# Altium PCB Iris.PcbDoc (part 5 of 13) (continued)
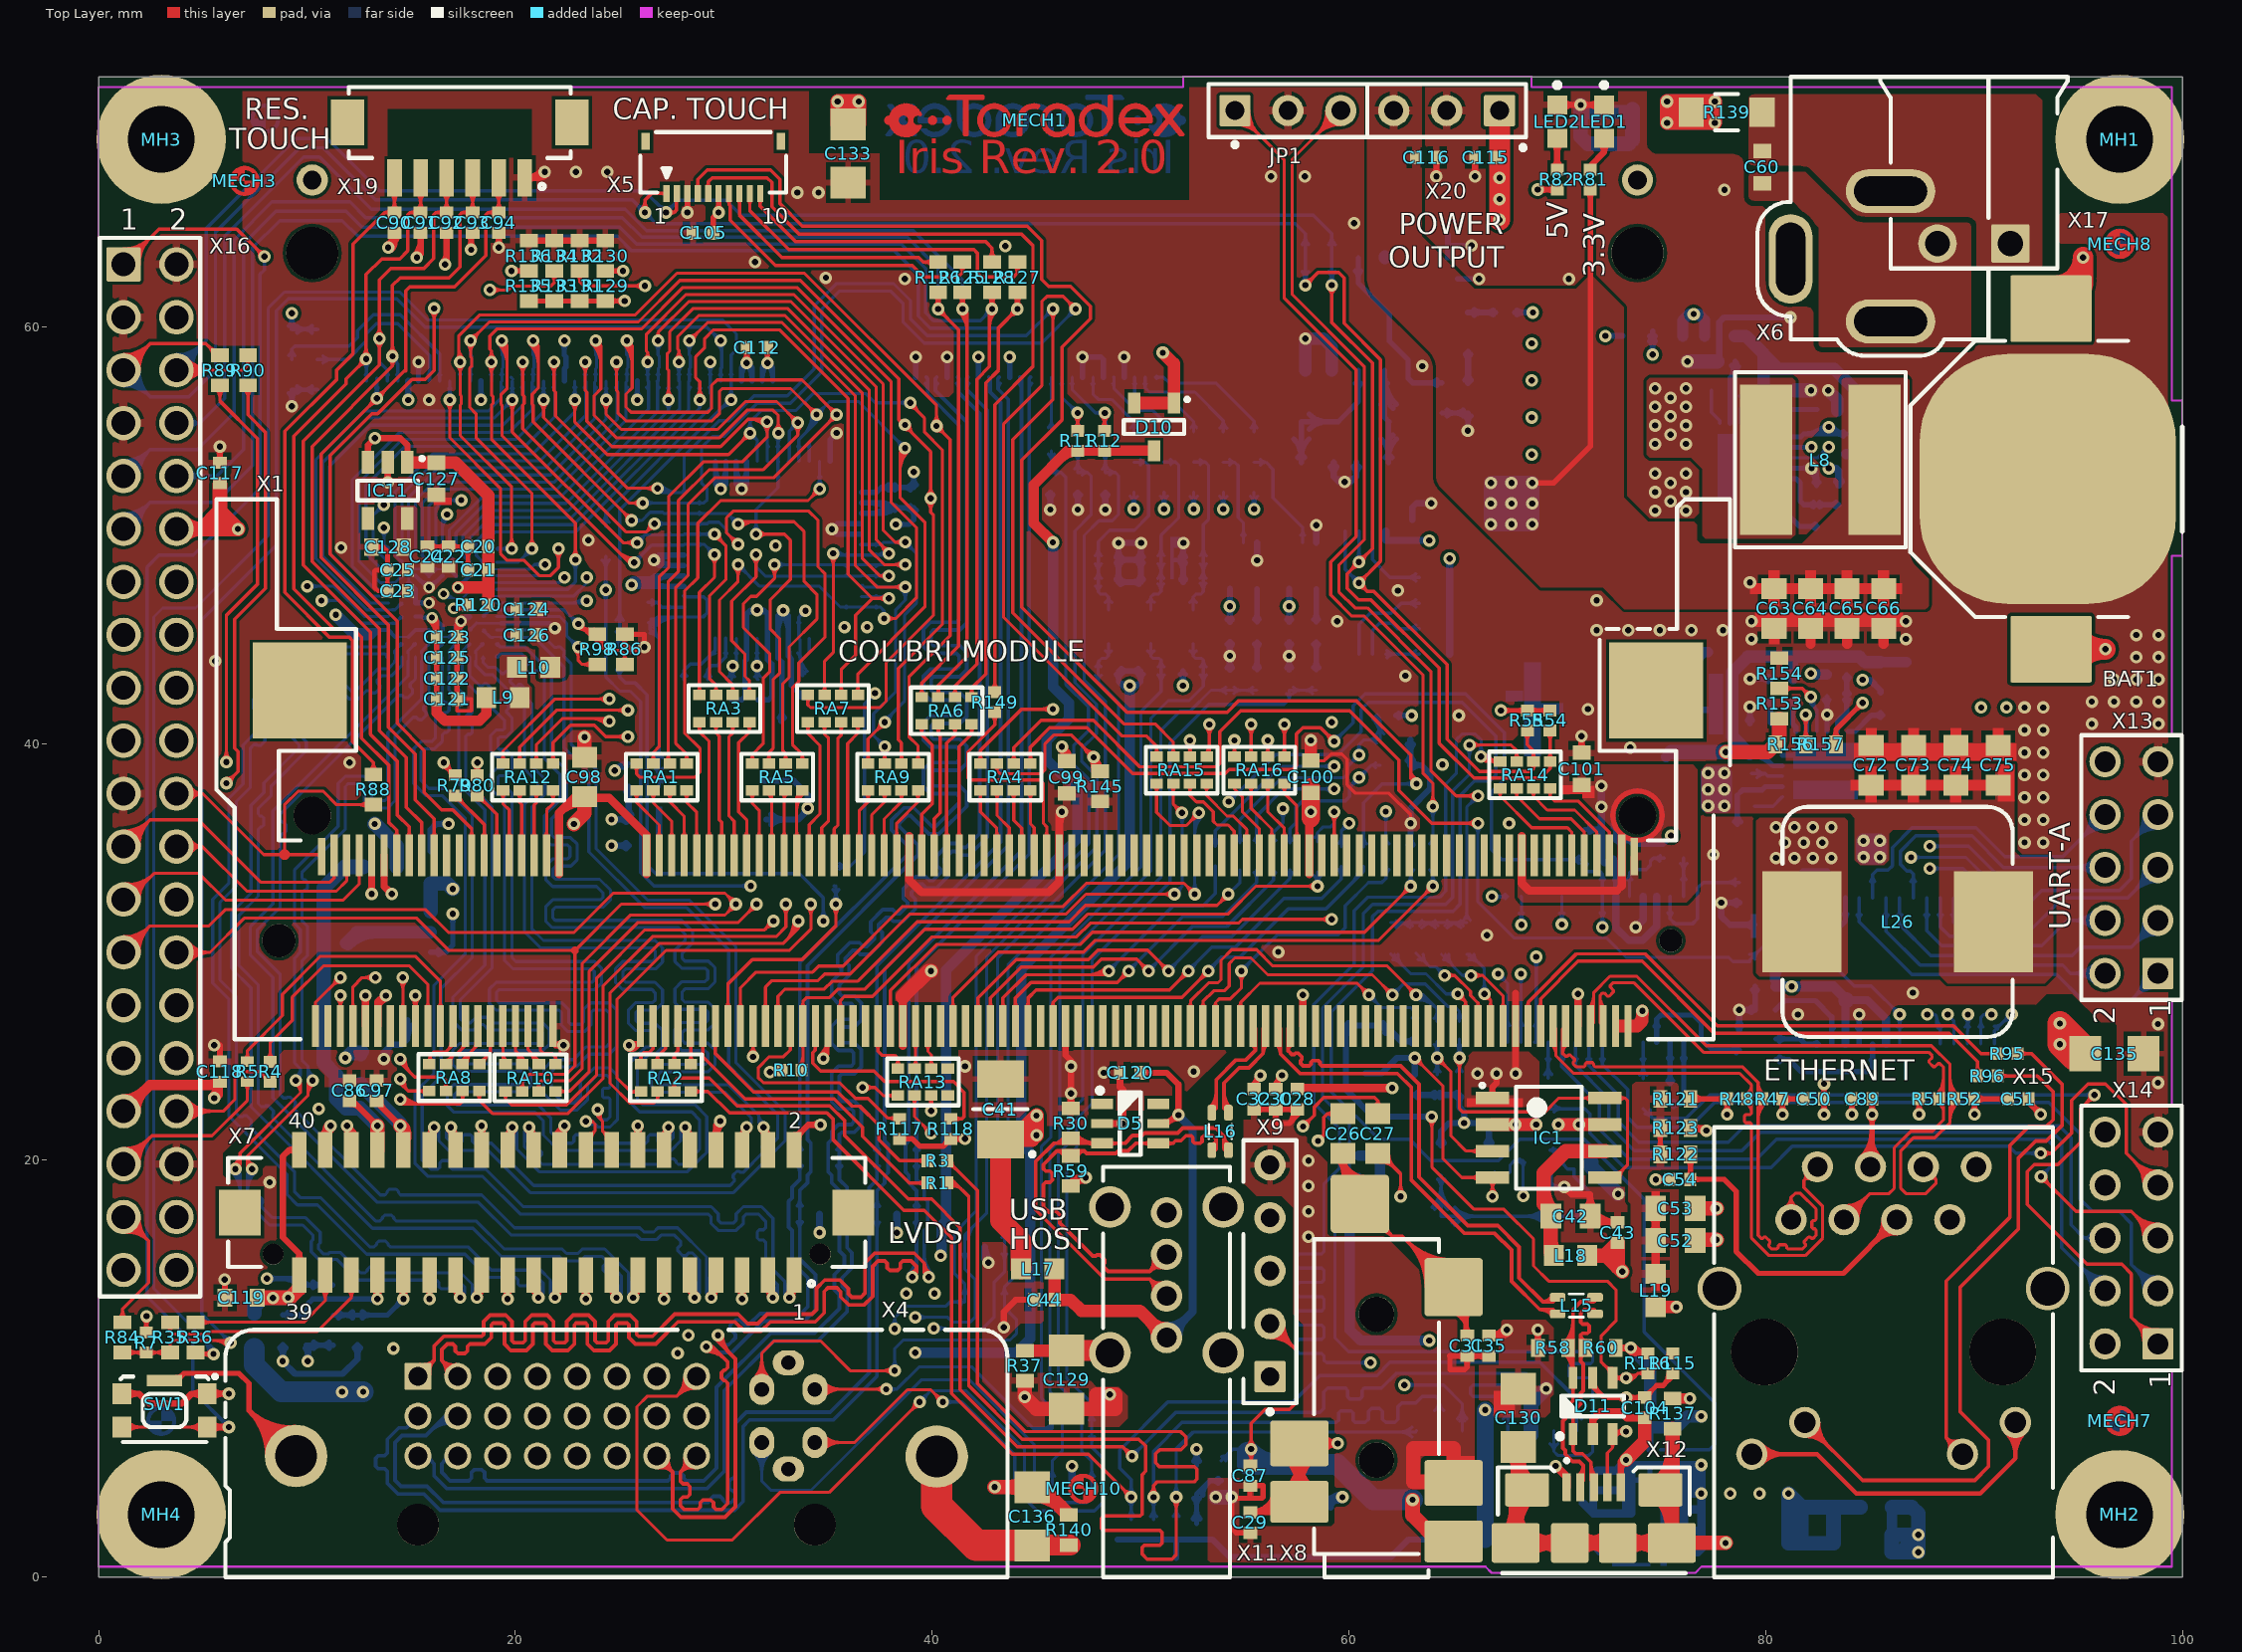
[diagram p0: Top Layer view]
## Nets (pads, with @x,y where several pads share a name; then routed paths per layer and width w, separated by ;. In a path a pad name is that pad's centre, name@x,y a point inside that pad or via, vN(x,y) a via of type N, cw(c..) or ccw(c..) an arc to the next point about the centre after c; other vN are vias at no path point) (continued)
  Bottom Layer w0.15: IC9.J8@18.45,49.35 18.45,49.578 19.037,50.165 22.911,50.165 28.85,56.104 ; v1@28.691,56.649 ccw(c28.307,57.033) 28.85,57.033 ccw(c29.393,57.033) v1@29.009,56.649 ; v1@28.739,56.294 cw(c28.632,56.104) 28.85,56.104 ; X3.8@28.797,57.046 cw(c28.669,56.918) 28.85,56.918 cw(c29.031,56.918) X3.8@28.903,57.046 ; X3.8@28.85,57.4 v1(28.85,56.49) 28.85,56.104 ; v1@28.961,56.294 ccw(c29.068,56.104) 28.85,56.104 ; IC2.23@36.6,47.05 v1@37.846,47.05 ; IC2.23@37.195,47.05 cw(c37.195,46.247) v1@37.763,46.815 ; IC2.23@37.303,46.997 cw(c37.431,46.869) 37.431,47.05 cw(c37.431,47.231) IC2.23@37.303,47.103 ; 37.557,47.05 cw(c37.557,46.609) v1@37.869,46.921 ; 37.563,47.05 ccw(c37.563,47.333) v1@37.763,47.133
LCD_D_5_S: RA7.3 X1.72 | length 7.6
  Top Layer w0.15: X1.72@35.229,35.593 ccw(c35.059,35.763) 35.3,35.763 ccw(c35.541,35.763) X1.72@35.371,35.593 ; X1.72@35.3,34.646 35.3,35.91 35.484,36.093 35.484,40.259 35.632,40.407 RA7.3@35.632,41.032 ; RA7.3@35.512,40.908 cw(c35.223,40.619) 35.632,40.619 ; 35.632,40.599 cw(c36.068,40.599) RA7.3@35.76,40.908
LCD_D_6: IC2.5 IC9.H2 RA9.7 X3.20 | length 63.2
  Top Layer w0.15: v1@22.691,56.331 cw(c22.307,55.946) 22.85,55.946 cw(c23.393,55.946) v1@23.009,56.331 ; v1(22.85,56.49) 22.85,55.433 24.409,53.873 30.228,53.873 v1(31.261,54.906) ; v1@31.036,54.906 cw(c30.493,54.906) 30.877,54.522 cw(c31.261,54.138) v1@31.261,54.681 ; RA9.7@38.4,39.17 ccw(c38.102,39.469) 38.524,39.469 ccw(c38.947,39.469) RA9.7@38.648,39.17 ; RA9.7@38.524,39.046 38.524,40.038 38.377,40.185 38.377,43.61 40.488,45.72 40.488,54.102 39.624,54.966 39.624,55.633 v1@38.949,56.308 ; v1@38.949,56.134 cw(c38.949,55.713) 39.247,56.01 ; v1@39.174,56.359 ccw(c39.84,56.359) 39.369,55.888
  Bottom Layer w0.105: 14.225,49.174 14.225,49.526
  Bottom Layer w0.15: 14.225,49.174 14.225,49.025 IC9.H2@14.55,48.7 ; 14.225,49.526 14.225,52.083 16.058,53.916 20.846,53.916 22.85,55.921 v1(22.85,56.49) X3.20@22.85,57.4 ; IC9.H2@14.48,48.7 ccw(c14.311,48.7) 14.431,48.819 ccw(c14.55,48.939) IC9.H2@14.55,48.77 ; v1@22.691,56.331 cw(c22.307,55.946) 22.85,55.946 cw(c23.393,55.946) v1@23.009,56.331 ; v1@22.691,56.649 ccw(c22.307,57.033) 22.85,57.033 ccw(c23.393,57.033) v1@23.009,56.649 ; X3.20@22.797,57.097 cw(c22.669,56.969) 22.85,56.969 cw(c23.031,56.969) X3.20@22.903,57.097 ; v1@31.103,55.067 ccw(c30.736,55.442) 31.261,55.442 ; v1@31.282,54.682 cw(c31.318,54.285) 31.6,54.567 ; v1@31.419,55.067 cw(c31.786,55.442) 31.261,55.442 ; v1@31.485,54.885 ccw(c31.882,54.849) 31.6,54.567 ; IC2.5@31.547,54.253 ccw(c31.419,54.381) 31.6,54.381 ccw(c31.781,54.381) IC2.5@31.653,54.253 ; IC2.5@31.6,53.55 31.6,54.567 ; v1@38.79,56.2 ccw(c38.406,55.815) 38.406,56.359 ccw(c38.406,56.902) v1@38.79,56.518 ; v1(38.949,56.359) 37.266,56.359 36.83,56.794 34.265,56.794 33.45,55.98 31.799,55.98 31.261,55.442 ; 31.261,55.442 v1(31.261,54.906) 31.6,54.567
LCD_D_6_S: RA9.3 X1.80 | length 4.5
  Top Layer w0.15: X1.80@37.629,35.593 ccw(c37.459,35.763) 37.7,35.763 ccw(c37.941,35.763) X1.80@37.771,35.593 ; X1.80@37.7,34.646 37.7,36.379 38.524,37.203 RA9.3@38.524,37.746 ; RA9.3@38.4,37.622 cw(c38.102,37.324) 38.524,37.324 cw(c38.947,37.324) RA9.3@38.648,37.622
LCD_D_7: IC2.6 IC9.J2 RA1.6 X3.19 | length 55.9
  Top Layer w0.15: v1@23.191,58.151 cw(c22.807,57.767) 23.35,57.767 cw(c23.893,57.767) v1@23.509,58.151 ; v1(23.35,58.31) 23.35,56.945 23.426,56.869 23.426,55.466 24.638,54.254 29.845,54.254 31.16,55.569 31.979,55.569 32.071,55.477 32.079,55.47 32.079,54.71 30.886,53.518 29.012,53.518 27.358,51.863 27.358,48.457 26.899,47.998 26.899,39.853 26.617,39.571 RA1.6@26.617,39.046 ; RA1.6@26.493,39.17 ccw(c26.194,39.469) 26.617,39.469 ccw(c27.039,39.469) RA1.6@26.74,39.17 ; 31.245,55.569 cw(c31.245,54.626) 31.912,55.293 cw(c31.51,54.89) 32.079,54.89 ; 31.607,55.569 cw(c31.607,54.988) v1@32.018,55.399 ; v1@32.071,55.478 v1@32.071,55.51 ; 32.079,54.927 cw(c32.596,54.927) v1@32.23,55.293
  Bottom Layer w0.15: IC9.J2@14.55,49.35 14.55,51.948 16.178,53.576 21.191,53.576 23.383,55.768 X3.19@23.383,57.367 ; v1@23.191,58.151 cw(c22.807,57.767) 23.35,57.767 cw(c23.893,57.767) v1@23.509,58.151 ; X3.19@23.297,57.097 cw(c23.09,56.89) 23.383,56.89 ; X3.19@23.297,57.703 ccw(c23.169,57.831) 23.35,57.831 ccw(c23.531,57.831) X3.19@23.403,57.703 ; X3.19@23.35,57.4 v1(23.35,58.31) ; v1@31.912,55.293 cw(c31.515,54.895) 32.077,54.895 ; 32.077,54.437 ccw(c32.337,54.437) IC2.6@32.153,54.253 ; 32.077,54.922 cw(c32.601,54.922) v1@32.23,55.293 ; v1@32.077,55.502 32.077,53.573 IC2.6@32.1,53.55 IC2.6@32.097,53.553
  other v1: 32.071,55.452
LCD_D_7_S: RA1.2 X1.46 | length 4.5
  Top Layer w0.15: RA1.2@26.493,37.622 cw(c26.194,37.324) 26.617,37.324 cw(c27.039,37.324) RA1.2@26.74,37.622 ; RA1.2@26.617,37.746 26.617,37.163 27.5,36.279 X1.46@27.5,34.646 ; X1.46@27.429,35.593 ccw(c27.259,35.763) 27.5,35.763 ccw(c27.741,35.763) X1.46@27.571,35.593
LCD_D_8: IC2.7 IC9.H3 RA5.6 X3.18 | length 59.8
  Top Layer w0.15: v1@23.691,59.177 cw(c22.703,58.189) 24.1,58.189 ; v1@23.797,59.283 cw(c23.065,58.551) 24.1,58.551 ; v1(23.85,59.336) 24.1,59.086 ; v1@23.903,59.389 cw(c23.428,58.913) 24.1,58.913 ; v1@23.927,59.124 cw(c23.983,58.969) 24.1,59.086 ; v1@24.062,59.259 ccw(c24.217,59.203) 24.1,59.086 ; v1(31.547,50.05) 32.906,50.05 33.198,49.759 33.198,47.879 32.233,46.914 32.233,45.491 32.674,45.05 32.674,43.373 32.367,43.066 32.367,39.767 32.169,39.569 RA5.6@32.169,39.046 ; v1@31.706,49.891 cw(c32.09,49.507) 32.09,50.05 cw(c32.09,50.593) v1@31.706,50.209 ; RA5.6@32.045,39.17 ccw(c31.747,39.469) 32.169,39.469 ccw(c32.591,39.469) RA5.6@32.293,39.17 ; v1@32.464,55.065 ccw(c32.109,55.42) 32.611,55.42 ; v1@32.611,54.906 32.611,55.756 32.363,56.004 31.112,56.004 29.775,54.667 24.86,54.667 23.774,55.754 23.774,56.692 24.1,57.018 24.1,59.086 ; 32.611,55.478 ccw(c33.195,55.478) v1@32.782,55.065
  Bottom Layer w0.105: 14.875,49.174 14.875,49.526
  Bottom Layer w0.15: 14.875,49.174 14.875,49.025 IC9.H3@15.2,48.7 ; 14.875,49.526 14.875,51.814 16.295,53.234 21.433,53.234 23.803,55.603 X3.18@23.803,57.353 ; IC9.H3@15.13,48.7 ccw(c14.961,48.7) 15.081,48.819 ccw(c15.2,48.939) IC9.H3@15.2,48.77 ; v1@23.691,59.177 cw(c23.325,58.811) 23.842,58.811 ; X3.18@23.797,57.703 ccw(c23.669,57.831) 23.85,57.831 ccw(c24.031,57.831) X3.18@23.903,57.703 ; 23.803,56.854 cw(c24.146,56.854) X3.18@23.903,57.097 ; 23.842,58.774 cw(c24.412,58.774) v1@24.009,59.177 ; v1@23.842,59.336 23.842,58.653 23.898,58.598 23.898,58.039 23.85,57.991 X3.18@23.85,57.4 ; v1@31.388,50.209 ccw(c31.004,50.593) 31.547,50.593 ccw(c32.09,50.593) v1@31.706,50.209 ; v1(31.547,50.05) 31.547,51.232 32.6,52.285 IC2.7@32.6,53.55 ; v1@32.464,54.747 cw(c32.135,54.418) 32.6,54.418 ; IC2.7@32.547,52.796 cw(c32.419,52.668) 32.6,52.668 cw(c32.781,52.668) IC2.7@32.653,52.796 ; IC2.7@32.547,54.253 ccw(c32.419,54.381) 32.6,54.381 ccw(c32.781,54.381) IC2.7@32.653,54.253 ; IC2.7@32.6,54.307 cw(c33.222,54.307) v1@32.782,54.747 ; v1@32.6,54.883 IC2.7@32.6,53.55 ; IC2.7@32.639,53.511 IC2.7@32.6,53.55
  other v1: 32.623,54.906
LCD_D_8_S: RA5.2 X1.62 | length 4.3
  Top Layer w0.15: RA5.2@32.095,37.622 cw(c31.601,37.128) 32.3,37.128 ; RA5.2@32.169,37.746 32.3,37.615 X1.62@32.3,34.646 ; RA5.2@32.201,37.728 cw(c31.963,37.49) 32.3,37.49 ; X1.62@32.229,35.593 ccw(c32.059,35.763) 32.3,35.763 ccw(c32.541,35.763) X1.62@32.371,35.593
LCD_D_9: IC2.8 IC9.J3 RA1.7 X3.17 | length 54.9
  Top Layer w0.15: v1@24.191,56.331 cw(c23.807,55.946) 24.35,55.946 cw(c24.893,55.946) v1@24.509,56.331 ; v1(24.35,56.49) 24.35,55.812 25.083,55.08 29.705,55.08 31.039,56.413 32.54,56.413 v1(33.552,55.401) 33.552,54.812 31.877,53.137 29.289,53.137 27.823,51.671 27.823,48.264 27.34,47.782 RA1.7@27.34,39.046 ; RA1.7@27.217,39.17 ccw(c26.918,39.469) 27.34,39.469 ccw(c27.763,39.469) RA1.7@27.464,39.17 ; v1@33.327,55.401 ccw(c32.784,55.401) 33.168,55.785 ccw(c33.552,56.169) v1@33.552,55.626 ; v1@33.393,55.242 cw(c33.009,54.858) 33.552,54.858 cw(c34.096,54.858) v1@33.711,55.242
  Bottom Layer w0.15: IC9.J3@15.2,49.35 15.2,51.679 16.415,52.894 21.678,52.894 24.35,55.567 v1(24.35,56.49) X3.17@24.35,57.4 ; v1@24.191,56.331 cw(c23.807,55.946) 24.35,55.946 cw(c24.893,55.946) v1@24.509,56.331 ; v1@24.191,56.649 ccw(c23.807,57.033) 24.35,57.033 ccw(c24.893,57.033) v1@24.509,56.649 ; X3.17@24.297,57.046 cw(c24.169,56.918) 24.35,56.918 cw(c24.531,56.918) X3.17@24.403,57.046 ; IC2.8@33.047,54.253 ccw(c32.8,54.5) 33.149,54.5 ; IC2.8@33.1,53.55 33.097,53.553 33.149,53.605 33.149,54.998 v1(33.552,55.401) ; v1@33.327,55.401 cw(c32.784,55.401) 33.168,55.017 cw(c33.552,54.633) v1@33.552,55.176
LCD_D_9_S: RA1.3 X1.48 | length 4.4
  Top Layer w0.15: RA1.3@27.293,37.622 cw(c26.994,37.324) 27.417,37.324 cw(c27.839,37.324) RA1.3@27.54,37.622 ; RA1.3@27.417,37.746 27.417,37.201 28.1,36.518 X1.48@28.1,34.646 ; X1.48@28.029,35.593 ccw(c27.859,35.763) 28.1,35.763 ccw(c28.341,35.763) X1.48@28.171,35.593
LCD_D_10: IC2.9 IC9.H4 RA7.8 X3.16 | length 64
  Top Layer w0.15: v1@24.691,58.151 cw(c24.307,57.767) 24.85,57.767 cw(c25.393,57.767) v1@25.009,58.151 ; v1(24.85,58.31) 24.85,56.945 24.917,56.878 24.917,55.88 25.305,55.493 29.432,55.493 29.797,55.857 29.797,56.918 29.916,57.037 33.207,57.037 v1(34.454,55.79) ; v1@34.229,55.79 ccw(c33.686,55.79) 34.07,56.174 ccw(c34.454,56.558) v1@34.454,56.015 ; RA7.8@36.312,42.456 ccw(c36.014,42.754) 36.436,42.754 ccw(c36.858,42.754) RA7.8@36.56,42.456 ; RA7.8@36.436,42.332 36.436,43.345 39.648,46.557 39.648,50.624 38.456,51.816 38.456,53.942 ; 38.456,53.06 cw(c39.818,53.06) v1@38.854,54.023 ; 38.456,53.422 cw(c39.455,53.422) v1@38.748,54.129 ; 38.456,53.784 cw(c39.093,53.784) v1@38.642,54.235 ; v1@38.487,54.097 cw(c38.354,54.044) 38.456,53.942 ; v1@38.611,53.974 ccw(c38.557,53.841) 38.456,53.942 ; v1(38.695,54.182) 38.456,53.942
  Bottom Layer w0.105: 15.525,49.174 15.525,49.526
  Bottom Layer w0.15: 15.525,49.174 15.525,49.025 IC9.H4@15.85,48.7 ; 15.525,49.526 15.525,51.545 16.532,52.552 21.881,52.552 24.883,55.554 X3.16@24.883,57.367 ; IC9.H4@15.78,48.7 ccw(c15.611,48.7) 15.731,48.819 ccw(c15.85,48.939) IC9.H4@15.85,48.77 ; v1@24.691,58.151 cw(c24.307,57.767) 24.85,57.767 cw(c25.393,57.767) v1@25.009,58.151 ; X3.16@24.797,57.097 cw(c24.59,56.89) 24.883,56.89 ; X3.16@24.797,57.703 ccw(c24.669,57.831) 24.85,57.831 ccw(c25.031,57.831) X3.16@24.903,57.703 ; X3.16@24.85,57.4 v1(24.85,58.31) ; IC2.9@33.547,54.253 ccw(c33.419,54.381) 33.6,54.381 ccw(c33.781,54.381) IC2.9@33.653,54.253 ; IC2.9@33.6,53.55 33.6,54.58 34.454,55.434 ; 33.819,54.799 ccw(c32.828,55.79) v1@34.229,55.79 ; 34.075,55.055 ccw(c33.34,55.79) v1@34.379,55.79 ; 34.331,55.311 ccw(c33.852,55.79) v1@34.529,55.79 ; v1@34.358,55.586 cw(c34.286,55.434) 34.454,55.434 ; v1@34.454,56.015 ccw(c34.454,56.558) 34.838,56.174 ccw(c35.222,55.79) v1@34.679,55.79 ; v1@34.55,55.586 ccw(c34.622,55.434) 34.454,55.434 ; v1@38.47,54.182 ccw(c37.927,54.182) 38.311,54.566 ccw(c38.695,54.95) v1@38.695,54.407 ; v1(38.695,54.182) 36.464,56.413 35.078,56.413 v1(34.454,55.79) 34.454,55.434
LCD_D_10_S: RA7.4 X1.74 | length 7.6
  Top Layer w0.15: X1.74@35.829,35.542 ccw(c35.56,35.811) 35.941,35.811 ; X1.74@35.9,34.646 35.941,34.687 35.941,40.005 36.432,40.496 RA7.4@36.432,41.032 ; RA7.4@36.312,40.908 cw(c36.023,40.619) 36.432,40.619 ; 36.432,40.599 cw(c36.868,40.599) RA7.4@36.56,40.908
LCD_D_11: IC2.10 IC9.J4 RA1.8 X3.15 | length 65
  Top Layer w0.15: v1@25.191,59.177 cw(c24.203,58.189) 25.6,58.189 ; v1@25.297,59.283 cw(c24.565,58.551) 25.6,58.551 ; v1(25.35,59.336) 25.6,59.086 ; v1@25.403,59.389 cw(c24.928,58.913) 25.6,58.913 ; v1@25.427,59.124 cw(c25.483,58.969) 25.6,59.086 ; v1@25.562,59.259 ccw(c25.717,59.203) 25.6,59.086 ; RA1.8@28.093,39.17 ccw(c27.794,39.469) 28.217,39.469 ccw(c28.639,39.469) RA1.8@28.34,39.17 ; RA1.8@28.217,39.046 28.217,39.5 27.686,40.03 27.686,47.47 28.288,48.072 28.288,51.478 29.566,52.756 32.387,52.756 v1(35.421,55.79) 33.756,57.455 29.681,57.455 29.413,57.187 29.413,56.083 29.235,55.905 25.552,55.905 25.303,56.155 25.303,56.773 25.6,57.071 25.6,59.086 ; v1@35.421,55.565 ccw(c35.421,55.022) 35.037,55.406 ccw(c34.653,55.79) 35.196,55.79 ccw(c34.653,55.79) 35.037,56.174 ccw(c35.421,56.558) v1@35.421,56.015
  Bottom Layer w0.15: IC9.J4@15.85,49.35 15.85,51.41 16.652,52.212 22.001,52.212 25.303,55.514 X3.15@25.303,57.353 ; v1@25.191,59.177 cw(c24.825,58.811) 25.342,58.811 ; X3.15@25.297,57.703 ccw(c25.169,57.831) 25.35,57.831 ccw(c25.531,57.831) X3.15@25.403,57.703 ; 25.303,56.854 cw(c25.646,56.854) X3.15@25.403,57.097 ; 25.342,58.774 cw(c25.912,58.774) v1@25.509,59.177 ; v1@25.342,59.336 25.342,58.653 25.398,58.598 25.398,58.039 25.35,57.991 X3.15@25.35,57.4 ; IC2.10@34.047,54.253 ccw(c33.919,54.381) 34.1,54.381 ccw(c34.281,54.381) IC2.10@34.153,54.253 ; IC2.10@34.1,53.55 34.1,54.469 v1(35.421,55.79) ; v1@35.196,55.79 cw(c34.653,55.79) 35.037,55.406 cw(c35.421,55.022) v1@35.421,55.565
LCD_D_11_S: RA1.4 X1.50 | length 4.3
  Top Layer w0.15: RA1.4@28.093,37.622 cw(c27.794,37.324) 28.217,37.324 cw(c28.639,37.324) RA1.4@28.34,37.622 ; RA1.4@28.217,37.746 28.217,37.188 28.7,36.705 X1.50@28.7,34.646 ; X1.50@28.629,35.593 ccw(c28.459,35.763) 28.7,35.763 ccw(c28.941,35.763) X1.50@28.771,35.593
LCD_D_12: IC2.43 IC9.E2 RA3.5 X3.27 | length 57.8
  Top Layer w0.15: v1@19.191,59.177 cw(c18.203,58.189) 19.6,58.189 ; v1@19.297,59.283 cw(c18.565,58.551) 19.6,58.551 ; v1(19.35,59.336) 19.6,59.086 ; v1@19.403,59.389 cw(c18.928,58.913) 19.6,58.913 ; v1@19.427,59.124 cw(c19.483,58.969) 19.6,59.086 ; v1@19.562,59.259 ccw(c19.717,59.203) 19.6,59.086 ; 24.903,49.239 ccw(c25.698,50.034) v1@25.698,48.91 ; 25.159,48.983 ccw(c25.698,49.522) v1@25.698,48.76 ; v1(25.698,48.685) 25.458,48.685 19.35,54.793 19.35,56.245 19.303,56.293 19.303,56.742 19.6,57.04 19.6,59.086 ; RA3.5@28.705,42.456 ccw(c28.407,42.754) 28.829,42.754 ccw(c29.251,42.754) RA3.5@28.953,42.456 ; RA3.5@28.829,42.332 28.829,47.252 29.555,47.979 v1(29.555,49.073) ; v1@29.396,48.914 cw(c29.012,48.53) 29.555,48.53 cw(c30.099,48.53) v1@29.714,48.914
  Bottom Layer w0.105: 13.724,46.425 14.076,46.425
  Bottom Layer w0.15: 13.724,46.425 12.877,46.425 10.424,48.877 10.424,53.63 12.758,55.963 18.702,55.963 19.304,56.566 19.304,57.346 19.358,57.4 19.358,57.991 19.406,58.039 19.406,58.598 19.35,58.653 v1(19.35,59.336) ; 14.076,46.425 14.225,46.425 IC9.E2@14.55,46.75 ; IC9.E2@14.48,46.75 cw(c14.311,46.75) 14.431,46.631 cw(c14.55,46.511) IC9.E2@14.55,46.68 ; v1@19.191,59.177 cw(c18.807,58.793) 19.35,58.793 cw(c19.893,58.793) v1@19.509,59.177 ; X3.27@19.297,57.703 ccw(c19.151,57.849) 19.358,57.849 ; 19.304,56.858 cw(c19.642,56.858) X3.27@19.403,57.097 ; 19.358,57.813 ccw(c19.513,57.813) X3.27@19.403,57.703 ; v1(25.698,48.685) 26.537,49.524 28.074,49.524 IC2.43@28.1,49.55 28.11,49.56 29.069,49.56 v1(29.555,49.073) ; v1@25.698,48.91 ccw(c25.698,49.453) 26.082,49.069 ccw(c26.466,48.685) v1@25.923,48.685 ; 27.206,49.524 ccw(c27.206,49.794) IC2.43@27.397,49.603 ; IC2.43@28.828,49.497 cw(c28.981,49.345) 28.981,49.56 ; IC2.43@28.828,49.603 ccw(c28.932,49.707) 28.932,49.56 ; v1@29.33,49.073 ccw(c28.787,49.073) 29.171,49.458 ccw(c29.555,49.842) v1@29.555,49.298
LCD_D_12_S: RA3.1 X1.52 | length 7.6
  Top Layer w0.15: RA3.1@28.705,40.908 cw(c28.407,40.609) 28.829,40.609 cw(c29.251,40.609) RA3.1@28.953,40.908 ; RA3.1@28.829,41.032 28.829,40.578 29.3,40.107 X1.52@29.3,34.646 ; X1.52@29.229,35.593 ccw(c29.059,35.763) 29.3,35.763 ccw(c29.541,35.763) X1.52@29.371,35.593
LCD_D_13: IC2.44 IC9.E1 RA3.6 X3.26 | length 49.5
  Top Layer w0.15: v1@19.691,56.331 cw(c19.307,55.946) 19.85,55.946 cw(c20.393,55.946) v1@20.009,56.331 ; v1(19.85,56.49) 19.85,54.953 25.165,49.638 v1@25.936,49.638 ; v1@25.675,49.479 ccw(c25.291,49.095) 25.291,49.638 ccw(c25.291,50.181) v1@25.675,49.797 ; RA3.6@29.505,42.456 ccw(c29.207,42.754) 29.629,42.754 ccw(c30.051,42.754) RA3.6@29.753,42.456 ; v1@29.555,49.825 cw(c29.555,49.282) 29.94,49.666 cw(c30.324,50.05) v1@29.78,50.05 ; v1(29.555,50.05) 30.099,49.506 30.099,47.865 29.312,47.077 29.312,43.129 29.629,42.812 RA3.6@29.629,42.332
  Bottom Layer w0.15: IC9.E1@13.9,46.75 13.011,46.75 10.749,49.012 10.749,53.482 12.891,55.623 18.999,55.623 ; 18.999,55.638 v1(19.85,56.49) X3.26@19.85,57.4 ; v1@19.625,56.49 cw(c19.082,56.49) 19.466,56.106 cw(c19.85,55.721) v1@19.85,56.265 ; v1@19.691,56.649 ccw(c19.307,57.033) 19.85,57.033 ccw(c20.393,57.033) v1@20.009,56.649 ; X3.26@19.792,57.575 X3.26@19.88,57.487 ; X3.26@19.797,57.046 cw(c19.669,56.918) 19.85,56.918 cw(c20.031,56.918) X3.26@19.903,57.046 ; v1(25.835,49.638) 26.209,50.013 ; v1@25.839,49.863 ccw(c25.848,50.373) 26.209,50.013 ; v1@26.059,49.642 cw(c26.569,49.652) 26.209,50.013 ; 27.179,50.013 ccw(c27.179,50.321) IC2.44@27.397,50.103 ; IC2.44@28.828,49.997 cw(c28.956,49.869) 28.956,50.05 cw(c28.956,50.231) IC2.44@28.828,50.103 ; v1@29.396,49.891 ccw(c29.012,49.507) 29.012,50.05 ccw(c29.012,50.593) v1@29.396,50.209 ; v1(29.555,50.05) IC2.44@28.1,50.05 28.063,50.013 26.209,50.013
LCD_D_13_S: RA3.2 X1.54 | length 7.5
  Top Layer w0.15: RA3.2@29.505,40.908 cw(c29.207,40.609) 29.629,40.609 cw(c30.051,40.609) RA3.2@29.753,40.908 ; RA3.2@29.629,41.032 29.629,40.515 29.783,40.36 29.783,36.338 29.9,36.222 X1.54@29.9,34.646 ; X1.54@29.829,35.593 ccw(c29.659,35.763) 29.9,35.763 ccw(c30.141,35.763) X1.54@29.971,35.593
LCD_D_14: IC2.45 IC9.F2 RA5.8 X3.25 | length 63.6
  Top Layer w0.15: v1@20.191,58.151 cw(c19.807,57.767) 20.35,57.767 cw(c20.893,57.767) v1@20.509,58.151 ; v1(20.35,58.31) 20.35,56.734 20.422,56.662 20.422,56.317 20.35,56.245 20.35,55.113 25.298,50.165 26.285,50.165 v1(26.67,50.55) ; v1@26.445,50.55 cw(c25.902,50.55) 26.286,50.166 cw(c26.67,49.782) v1@26.67,50.325 ; v1@30.459,49.562 ccw(c29.915,49.562) 30.3,49.946 ccw(c30.684,50.33) v1@30.684,49.787 ; v1(30.684,49.562) 30.124,50.121 30.124,50.836 30.447,51.158 34.084,51.158 34.519,50.724 34.519,48.489 34.861,48.147 34.861,45.122 33.604,43.866 33.604,42.988 33.297,42.681 33.297,39.956 33.769,39.485 RA5.8@33.769,39.046 ; RA5.8@33.645,39.17 ccw(c33.347,39.469) 33.769,39.469 ccw(c34.191,39.469) RA5.8@33.893,39.17
  Bottom Layer w0.105: 13.724,47.075 14.076,47.075
  Bottom Layer w0.15: 13.724,47.075 13.146,47.075 11.074,49.147 11.074,53.315 13.04,55.281 19.391,55.281 20.383,56.273 20.383,57.367 X3.25@20.35,57.4 v1(20.35,58.31) ; 14.076,47.075 14.225,47.075 IC9.F2@14.55,47.4 ; IC9.F2@14.48,47.4 cw(c14.311,47.4) 14.431,47.281 cw(c14.55,47.161) IC9.F2@14.55,47.33 ; v1@20.191,58.151 cw(c19.807,57.767) 20.35,57.767 cw(c20.893,57.767) v1@20.509,58.151 ; X3.25@20.297,57.097 cw(c20.09,56.89) 20.383,56.89 ; X3.25@20.297,57.703 ccw(c20.169,57.831) 20.35,57.831 ccw(c20.531,57.831) X3.25@20.403,57.703 ; v1(26.67,50.55) IC2.45@28.1,50.55 29.214,50.55 29.286,50.622 29.769,50.622 30.15,50.241 30.15,50.096 v1(30.684,49.562) ; v1@26.829,50.391 cw(c27.213,50.007) 27.213,50.55 cw(c27.213,51.093) v1@26.829,50.709 ; IC2.45@27.397,50.497 ccw(c27.269,50.369) 27.269,50.55 ccw(c27.269,50.731) IC2.45@27.397,50.603 ; IC2.45@28.828,50.497 cw(c28.956,50.369) 28.956,50.55 cw(c28.956,50.731) IC2.45@28.828,50.603 ; v1@30.459,49.562 ccw(c29.915,49.562) 30.3,49.946 ccw(c30.684,50.33) v1@30.684,49.787
LCD_D_14_S: RA5.4 X1.66 | length 5.6
  Top Layer w0.15: X1.66@33.429,35.593 ccw(c33.259,35.763) 33.5,35.763 ccw(c33.741,35.763) X1.66@33.571,35.593 ; X1.66@33.5,34.646 33.5,37.437 ; 33.5,36.795 cw(c34.67,36.795) RA5.4@33.843,37.622 ; 33.5,37.157 cw(c34.308,37.157) RA5.4@33.737,37.728 ; RA5.4@33.555,37.686 cw(c33.333,37.604) 33.5,37.437 ; RA5.4@33.574,37.511 cw(c33.719,37.366) RA5.4@33.719,37.571 ; RA5.4@33.769,37.746 33.769,37.706 33.5,37.437
LCD_D_15: IC2.46 IC9.F1 RA5.7 X3.24 | length 61.5
  Top Layer w0.15: v1@20.691,59.177 cw(c19.703,58.189) 21.1,58.189 ; v1@20.797,59.283 cw(c20.065,58.551) 21.1,58.551 ; v1(20.85,59.336) 21.1,59.086 ; v1@20.903,59.389 cw(c20.428,58.913) 21.1,58.913 ; v1@20.927,59.124 cw(c20.983,58.969) 21.1,59.086 ; v1@21.062,59.259 ccw(c21.217,59.203) 21.1,59.086 ; v1@25.358,50.709 ccw(c24.815,50.709) 25.199,51.093 ccw(c25.583,51.477) v1@25.583,50.934 ; v1(25.583,50.709) 20.85,55.442 20.85,56.245 20.803,56.293 20.803,56.769 21.1,57.066 21.1,59.086 ; v1(30.684,50.538) 30.793,50.648 33.376,50.648 33.858,50.165 33.858,47.777 34.468,47.168 34.468,45.974 33.139,44.645 33.139,43.18 32.832,42.873 32.832,39.659 32.969,39.523 RA5.7@32.969,39.046 ; v1@30.737,50.485 cw(c31.129,50.093) 31.129,50.648 ; v1@30.843,50.379 cw(c31.491,49.731) 31.491,50.648 ; RA5.7@32.845,39.17 ccw(c32.547,39.469) 32.969,39.469 ccw(c33.391,39.469) RA5.7@33.093,39.17
  Bottom Layer w0.15: IC9.F1@13.9,47.4 13.281,47.4 12.177,48.504 12.177,52.665 14.453,54.941 19.711,54.941 20.803,56.032 20.803,57.353 X3.24@20.85,57.4 20.85,57.991 20.898,58.039 20.898,58.598 20.842,58.653 v1@20.842,59.336 ; v1@20.691,59.177 cw(c20.325,58.811) 20.842,58.811 ; X3.24@20.797,57.703 ccw(c20.669,57.831) 20.85,57.831 ccw(c21.031,57.831) X3.24@20.903,57.703 ; 20.803,56.854 cw(c21.146,56.854) X3.24@20.903,57.097 ; 20.842,58.774 cw(c21.412,58.774) v1@21.009,59.177 ; v1(25.583,50.709) 26.071,50.709 ; v1@25.754,50.563 cw(c26.071,50.293) 26.071,50.709 ; v1@25.754,50.855 ccw(c26.071,51.126) 26.071,50.709 ; IC2.46@27.397,50.997 ccw(c27.269,50.869) 27.269,51.05 ccw(c27.269,51.231) IC2.46@27.397,51.103 ; IC2.46@28.828,50.997 cw(c28.956,50.869) 28.956,51.05 cw(c28.956,51.231) IC2.46@28.828,51.103 ; v1(30.684,50.538) 30.172,51.05 IC2.46@28.1,51.05 27.127,51.05 27.072,51.105 26.467,51.105 26.071,50.709 ; 30.3,50.922 cw(c29.915,50.538) 30.459,50.538 ccw(c29.915,50.538) 30.3,50.922 ; 30.3,50.922 ccw(c30.684,51.307) 30.684,50.763 cw(c30.684,51.307) 30.3,50.922
LCD_D_15_S: RA5.3 X1.64 | length 4.2
  Top Layer w0.15: RA5.3@32.795,37.622 cw(c32.542,37.369) 32.9,37.369 ; X1.64@32.829,35.593 ccw(c32.659,35.763) 32.9,35.763 ccw(c33.141,35.763) X1.64@32.971,35.593 ; X1.64@32.9,34.646 32.9,37.677 RA5.3@32.969,37.746 ; 32.9,37.278 cw(c33.387,37.278) RA5.3@33.043,37.622
LCD_D_16: IC2.47 IC9.G2 RA15.5 X3.23 | length 92.4
  Top Layer w0.15: v1@21.191,56.331 cw(c20.807,55.946) 21.35,55.946 cw(c21.893,55.946) v1@21.509,56.331 ; v1(21.35,56.49) 21.35,55.651 25.456,51.545 v1(26.114,51.545) ; v1@25.955,51.386 ccw(c25.571,51.002) 25.571,51.545 ccw(c25.571,52.088) v1@25.955,51.704 ; v1@46.663,60.858 ccw(c46.12,60.858) 46.504,61.242 ccw(c46.888,61.627) v1@46.888,61.083 ; v1(46.888,60.858) 46.279,61.468 45.517,61.468 45.263,61.214 45.263,57.175 43.434,55.347 43.434,46.053 49.126,40.361 50.295,40.361 50.775,39.881 RA15.5@50.775,39.376 ; RA15.5@50.651,39.5 ccw(c50.352,39.799) 50.775,39.799 ccw(c51.197,39.799) RA15.5@50.898,39.5
  Bottom Layer w0.105: 13.724,47.725 14.076,47.725
  Bottom Layer w0.15: 13.724,47.725 13.512,47.725 12.502,48.735 12.502,52.53 14.571,54.599 20.029,54.599 21.35,55.919 v1(21.35,56.49) X3.23@21.35,57.4 ; 14.076,47.725 14.225,47.725 IC9.G2@14.55,48.05 ; IC9.G2@14.48,48.05 cw(c14.311,48.05) 14.431,47.931 cw(c14.55,47.811) IC9.G2@14.55,47.98 ; v1@21.191,56.331 cw(c20.807,55.946) 21.35,55.946 cw(c21.893,55.946) v1@21.509,56.331 ; v1@21.191,56.649 ccw(c20.807,57.033) 21.35,57.033 ccw(c21.893,57.033) v1@21.509,56.649 ; X3.23@21.297,57.046 cw(c21.169,56.918) 21.35,56.918 cw(c21.531,56.918) X3.23@21.403,57.046 ; v1@26.063,51.469 26.114,51.469 26.195,51.55 IC2.47@28.1,51.55 29.046,51.55 ; v1@26.273,51.386 cw(c26.67,50.989) 26.67,51.55 ; v1@26.273,51.704 ccw(c26.644,52.075) 26.644,51.55 ; IC2.47@27.397,51.497 ccw(c27.269,51.369) 27.269,51.55 ccw(c27.269,51.731) IC2.47@27.397,51.603 ; IC2.47@28.828,51.497 cw(c28.956,51.369) 28.956,51.55 cw(c28.956,51.731) IC2.47@28.828,51.603
  Bottom Layer w0.152: 29.046,51.55 29.2,51.704 29.2,52.233 28.931,52.502 28.931,54.211 29.456,54.737 29.995,54.737 31.593,56.335 33.193,56.335 34.696,57.838 34.696,60.858 35.558,61.72 38.003,61.72 38.608,61.115 38.608,60.223 39.611,59.22 45.25,59.22 v1(46.888,60.858) ; v1@46.665,60.858 cw(c46.124,60.858) 46.506,60.476 cw(c46.888,60.094) v1@46.888,60.635
LCD_D_16_S: RA15.1 X1.57 | length 39.6
  Top Layer w0.15: X1.57@30.729,27.393 ccw(c30.559,27.563) 30.8,27.563 ccw(c31.041,27.563) X1.57@30.871,27.393 ; X1.57@30.8,26.446 30.8,28.285 31.547,29.032 34.265,29.032 34.558,29.325 35.726,29.325 38.583,32.182 46.279,32.182 47.397,33.3 52.078,33.3 v1(52.603,32.775) ; RA15.1@50.651,37.952 cw(c50.352,37.654) 50.775,37.654 cw(c51.197,37.654) RA15.1@50.898,37.952 ; RA15.1@50.775,38.178 50.775,36.703 51.41,36.068 52.197,36.068 v1(52.807,36.678) ; v1@52.378,32.775 ccw(c51.835,32.775) 52.219,33.159 ccw(c52.603,33.543) v1@52.603,33 ; v1@52.582,36.678 cw(c52.038,36.678) 52.422,36.294 cw(c52.807,35.909) v1@52.807,36.453
  Bottom Layer w0.15: v1@52.444,32.934 ccw(c52.06,33.318) 52.603,33.318 ccw(c53.147,33.318) v1@52.762,32.934 ; v1(52.603,32.775) 52.603,36.474 v1(52.807,36.678) ; 52.603,35.644 cw(c53.84,35.644) v1@52.966,36.519 ; 52.603,36.006 cw(c53.478,36.006) v1@52.86,36.625 ; 52.603,36.368 cw(c53.116,36.368) v1@52.754,36.731
LCD_D_17: IC2.48 IC9.G1 RA15.6 X3.22 | length 89.7
  Top Layer w0.15: v1@21.691,58.151 cw(c21.307,57.767) 21.85,57.767 cw(c22.393,57.767) v1@22.009,58.151 ; v1(21.85,58.31) 21.85,56.945 21.926,56.869 21.926,55.722 25.395,52.253 v1(26.822,52.253) ; v1@26.663,52.094 ccw(c26.279,51.71) 26.279,52.253 ccw(c26.279,52.796) v1@26.663,52.412 ; v1@45.637,60.699 cw(c45.253,60.315) 45.796,60.315 cw(c46.339,60.315) v1@45.955,60.699 ; v1(45.796,60.858) 45.796,56.515 43.867,54.586 43.867,46.277 49.2,40.945 50.698,40.945 51.575,40.069 RA15.6@51.575,39.376 ; RA15.6@51.451,39.5 ccw(c51.152,39.799) 51.575,39.799 ccw(c51.997,39.799) RA15.6@51.698,39.5
  Bottom Layer w0.15: IC9.G1@13.83,48.05 ccw(c13.661,48.05) 13.781,48.169 ccw(c13.9,48.289) IC9.G1@13.9,48.12 ; IC9.G1@13.9,48.05 12.827,49.123 12.827,52.395 14.69,54.259 20.451,54.259 21.895,55.702 21.895,57.355 X3.22@21.85,57.4 ; v1@21.691,58.151 cw(c21.307,57.767) 21.85,57.767 cw(c22.393,57.767) v1@22.009,58.151 ; X3.22@21.797,57.097 cw(c21.561,56.861) 21.895,56.861 ; X3.22@21.797,57.703 ccw(c21.669,57.831) 21.85,57.831 ccw(c22.031,57.831) X3.22@21.903,57.703 ; v1(21.85,58.31) X3.22@21.85,57.4 ; X3.22@21.883,57.367 X3.22@21.85,57.4 ; v1@26.769,52.2 ccw(c27.132,52.563) 27.132,52.05 ; v1(26.822,52.253) 27.026,52.05 IC2.48@28.1,52.05 ; v1@26.875,52.306 ccw(c27.494,52.925) IC2.48@27.494,52.05 ; v1@26.981,52.412 ccw(c27.856,53.287) IC2.48@27.856,52.05 ; IC2.48@27.397,51.997 ccw(c27.269,51.869) 27.269,52.05 ccw(c27.269,52.231) IC2.48@27.397,52.103 ; 29.782,55.499 30.251,55.499 ; 38.151,62.078 38.965,61.263
  Bottom Layer w0.152: IC2.48@28.048,52.102 ccw(c27.922,52.228) 28.1,52.228 ccw(c28.278,52.228) IC2.48@28.152,52.102 ; IC2.48@28.1,52.05 28.1,53.817 29.782,55.499 ; 30.251,55.499 31.445,56.693 33.045,56.693 34.339,57.986 34.339,61.006 35.41,62.078 38.151,62.078 ; 38.965,61.263 38.965,60.371 39.759,59.577 44.515,59.577 v1(45.796,60.858) ; v1@45.572,60.858 cw(c45.032,60.858) 45.414,60.476 cw(c45.796,60.094) v1@45.796,60.635